# Altium PCB micromouse pcb.PcbDoc (part 1 of 2)
Units mil, origin at the board's own origin, x right, y up, seen from the top; angles counter-clockwise.
Board outline 3247.49 x 3543.31 mil, 2 copper layers (Top Layer, Bottom Layer); 164 components, 144 nets, 714 pads, 177 vias.
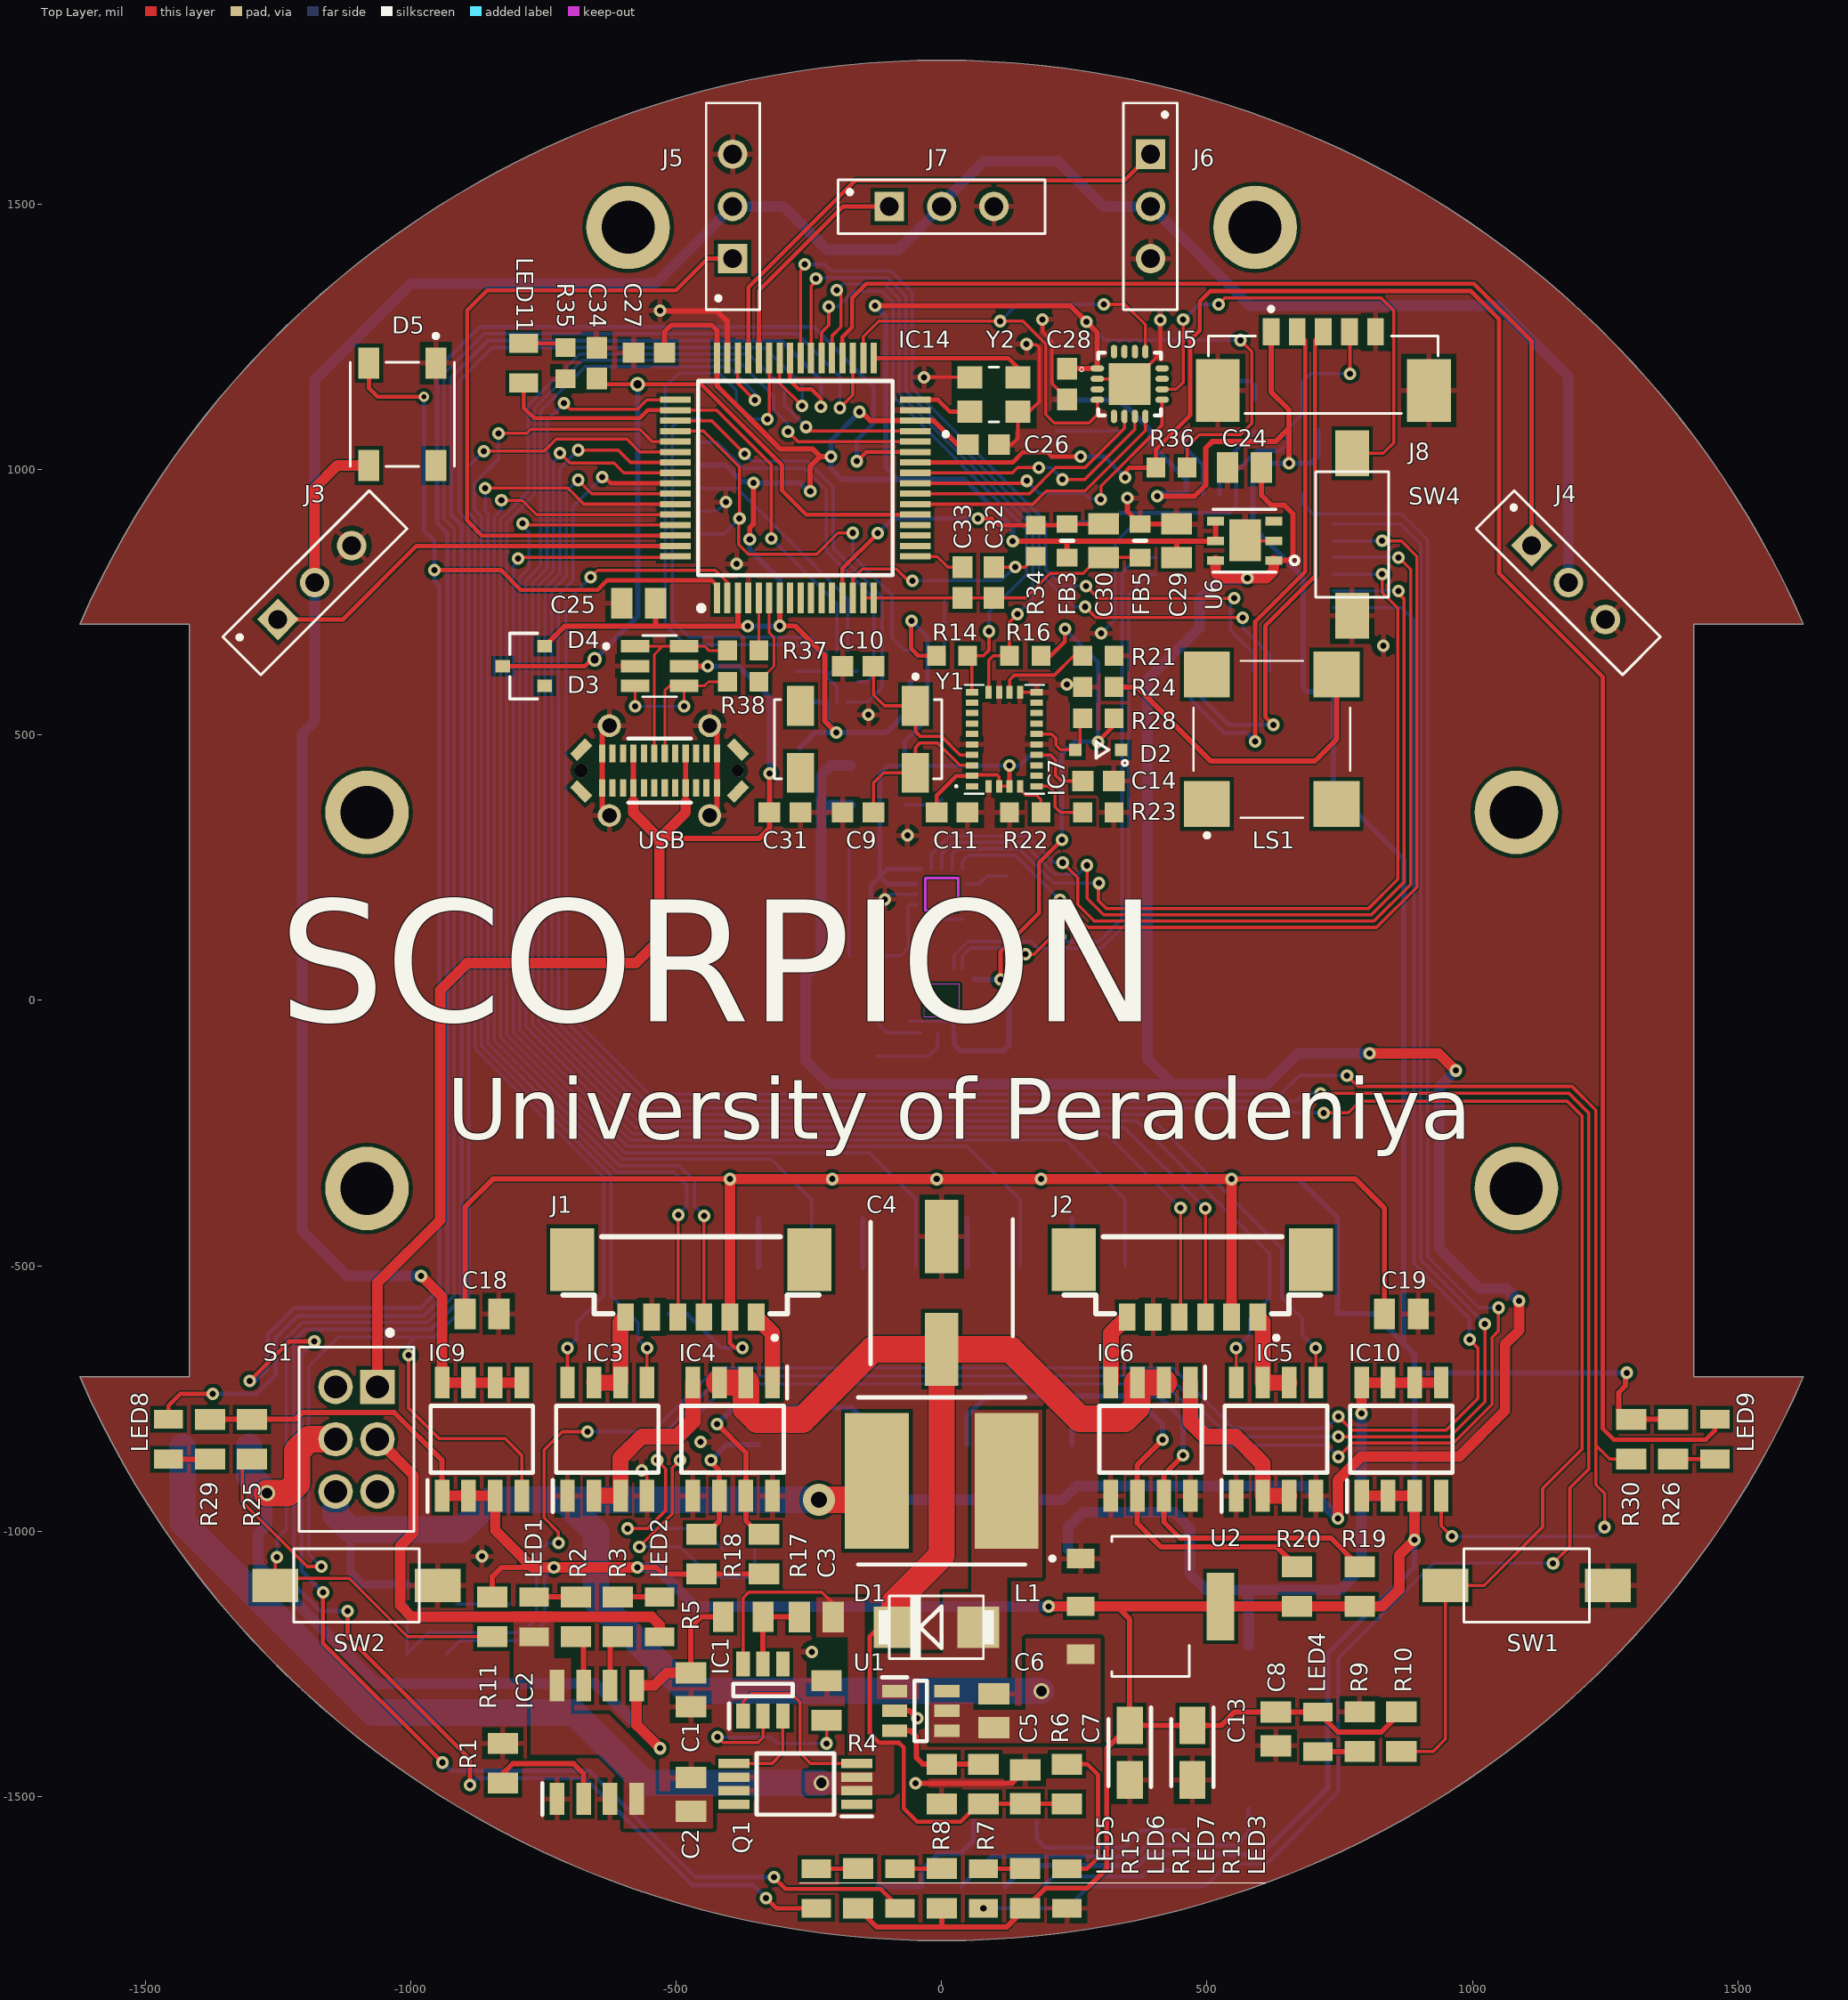
[diagram p0: Top Layer view]
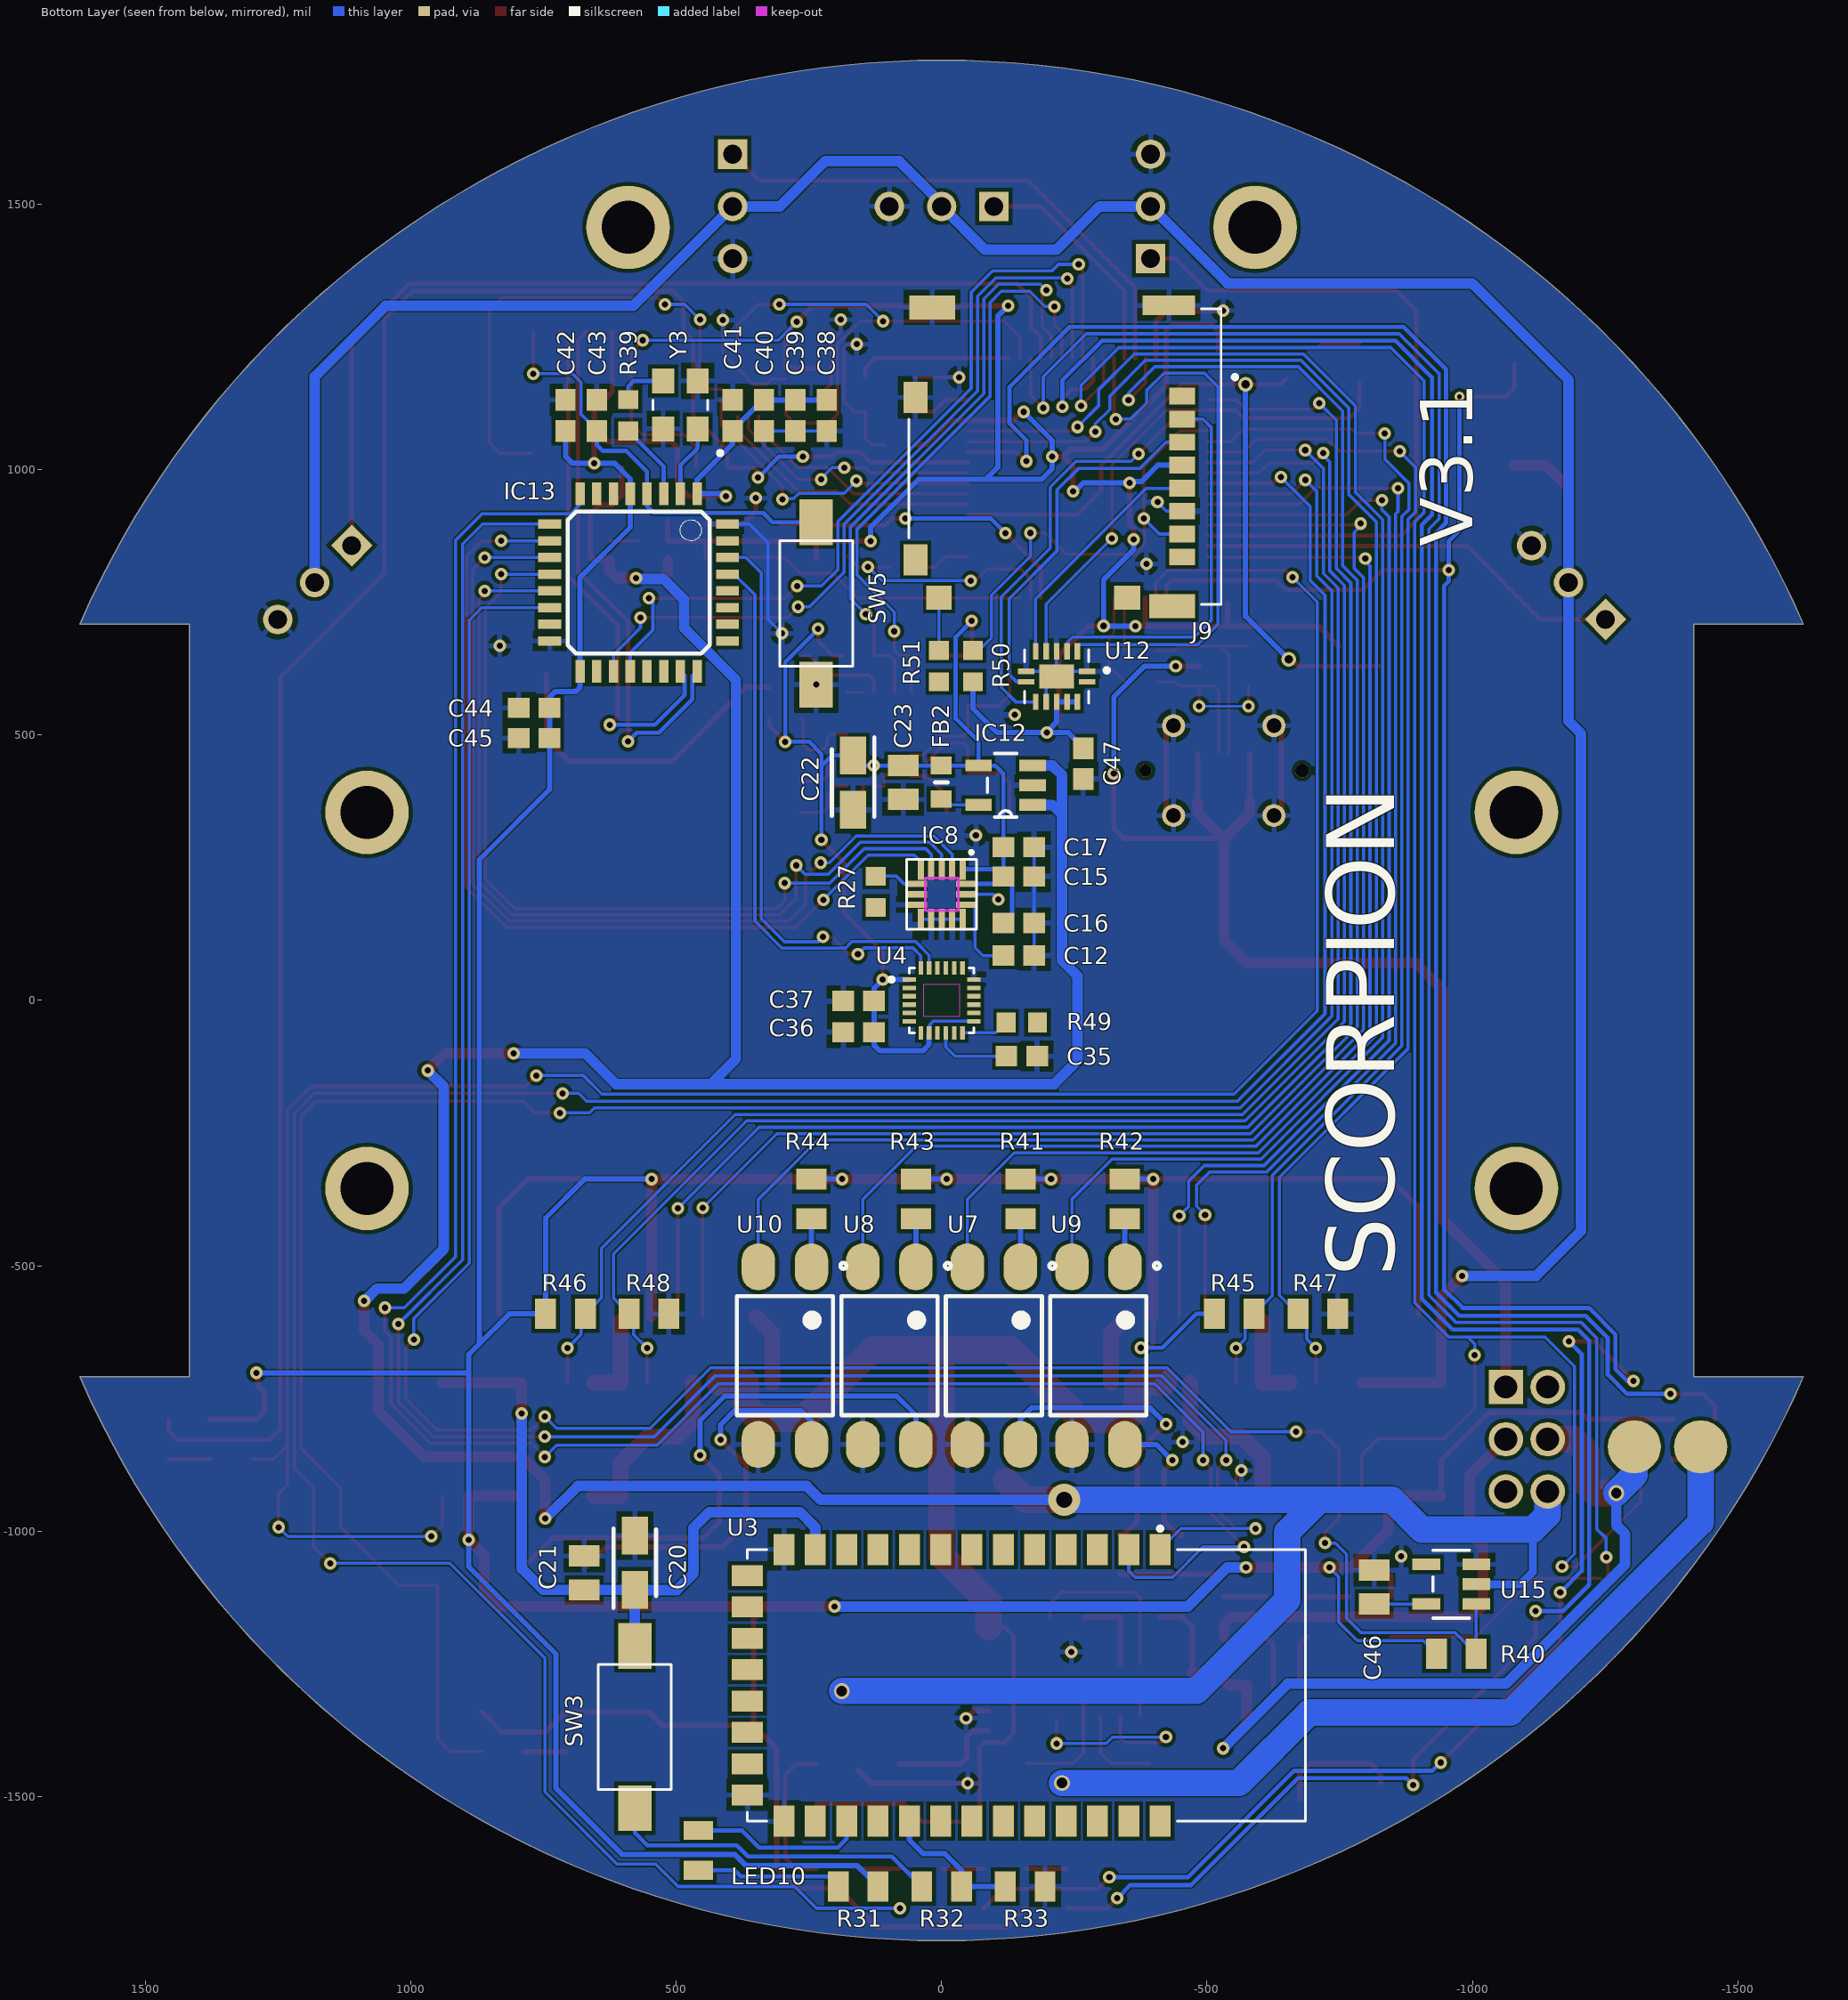
[diagram p1: Bottom Layer view, seen from below]
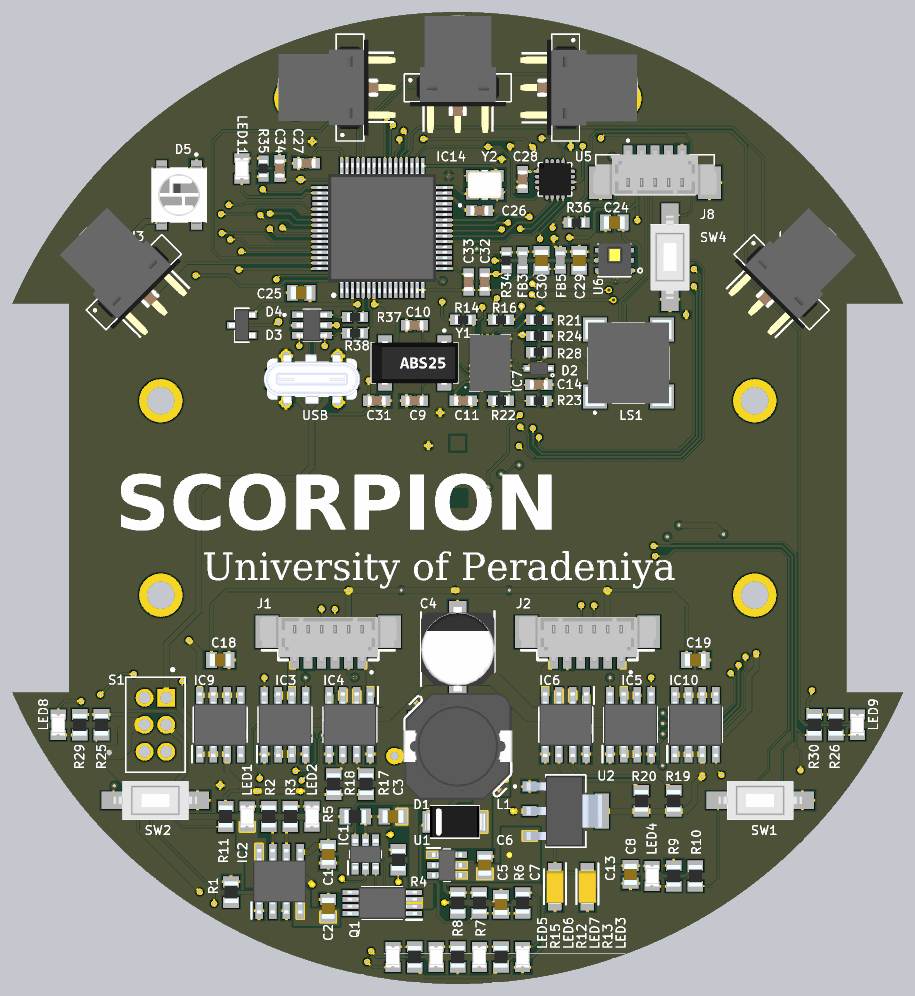
[diagram p3: 3D render of the assembled board from above, using the file's embedded part models]
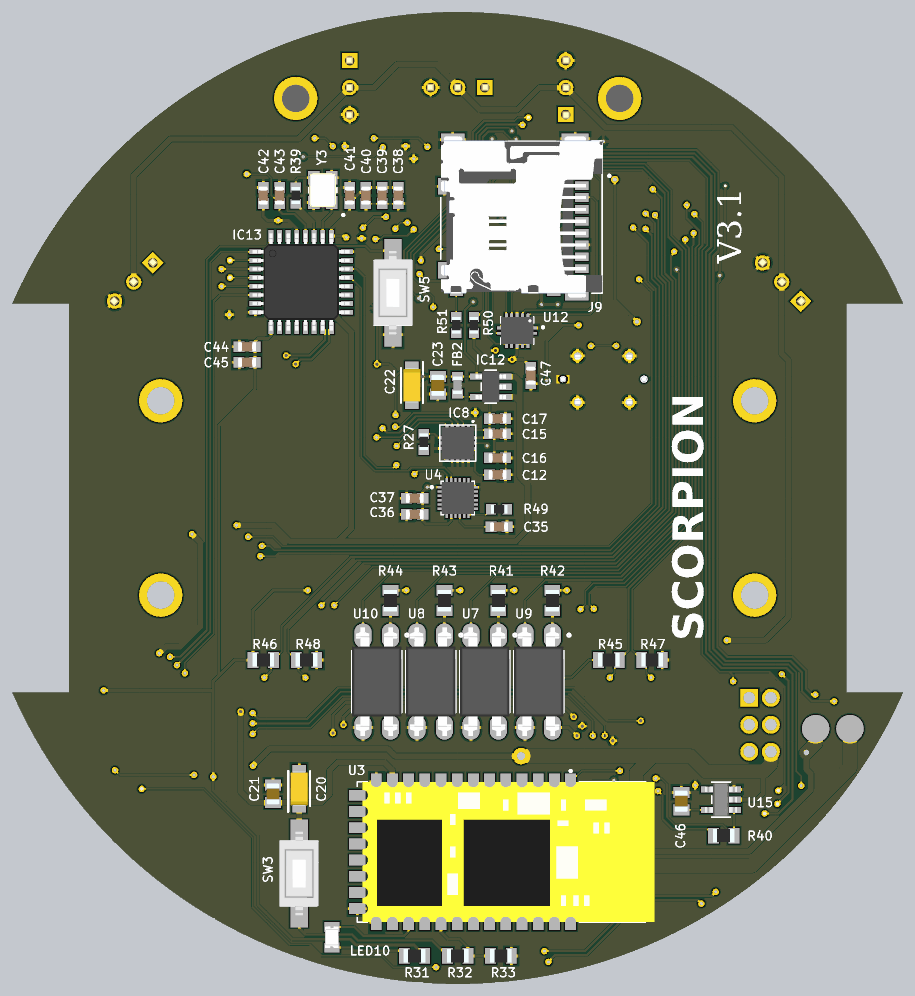
[diagram p4: 3D render of the assembled board from below, using the file's embedded part models]

## Layer stack, top to bottom
Top Solder: solder mask 0.4, Solder Resist, Dk 3.5
Top Layer: signal copper 1.3779
Dielectric 1: dielectric 12.6, FR-4, Dk 4.8
Bottom Layer: signal copper 1.3779
Bottom Solder: solder mask 0.4, Solder Resist, Dk 3.5

## Board outline
-1623.75,-708.66 -1417.32,-708.66 -1417.32,708.66 -1623.75,708.66 cw(c0,0) 1623.75,708.66 1417.32,708.66 1417.32,-708.66 1623.75,-708.66 cw(c0,0)
cut-out: -3208.66,-338.58
cut-out: -2720.47,716.54
cut-out: -2397.64,1919.29
cut-out: -3472.44,2852.36
cut-out: -1622.05,759.84
cut-out: -1622.05,759.84
cut-out: -2448.82,2295.28

## Design rules (kind name [scope] priority, off if disabled: settings)
Clearance [All] p1: gap=5 ignorepadtopadclearanceinfootprint=TRUE except(0: Arc-Hole SMDPad-Hole THPad-Hole Via-Hole Fill-Hole Poly-Hole Region-Hole Text-Hole; 2: Track-Track Track-SMDPad Track-THPad Track-Via Track-Fill Track-Poly Track-Region Track-Text Track-Hole; 7: Arc-Poly SMDPad-Poly THPad-Poly Via-Poly Fill-Poly Poly-Poly; 10: THPad-THPad THPad-Via THPad-Fill Via-Via Via-Fill Fill-Fill)
Clearance Clearance_2 [All] p2: gap=6 ignorepadtopadclearanceinfootprint=FALSE except(0: Arc-Hole Track-Hole SMDPad-Hole THPad-Hole Via-Hole Fill-Hole Poly-Hole Region-Hole Text-Hole)
Clearance Clearance_1 [All] p3: gap=10 ignorepadtopadclearanceinfootprint=FALSE except(0: Arc-Hole Track-Hole SMDPad-Hole THPad-Hole Via-Hole Fill-Hole Poly-Hole Region-Hole Text-Hole)
DiffPairsRouting DiffPair_DDiffPairsRouting [InDifferentialPair ('D')] p1: maxlimit=10 minlimit=5 mostfreqgap=10 toplayer_minwidth=5 toplayer_maxwidth=15 toplayer_prefwidth=10 bottomlayer_minwidth=5 bottomlayer_maxwidth=15 bottomlayer_prefwidth=10 maxuncoupledlength=500
DiffPairsRouting [All] p2: maxlimit=15 minlimit=5 mostfreqgap=10 toplayer_minwidth=5 toplayer_maxwidth=15 toplayer_prefwidth=5 bottomlayer_minwidth=5 bottomlayer_maxwidth=15 bottomlayer_prefwidth=5 maxuncoupledlength=500
HoleSize [All] p1: absolutevalues=TRUE maxlimit=300 minlimit=1 maxpercent=80.000 minpercent=20.000
HoleToHoleClearance [All] p1: gap=6 allowstackedmicrovias=TRUE
MatchedLengths DiffPair_DMatchedLengths [InDifferentialPair ('D')] p1: tolerance=78.74 checknetsindiffpair=TRUE checkdiffpairvsdiffpair=FALSE checkxsignals=FALSE checkothers=FALSE
MinimumSolderMaskSliver [All] p1: minsoldermaskwidth=0
PolygonConnect [All] p1: connectstyle=Relief reliefconductorwidth=10 reliefentries=4 polygonreliefangle="90 Angle" airgapwidth=10
RoutingVias [All] p1: holewidth=11.81 width=23.62 viastyle="Through Hole" minholewidth=9.06 minwidth=18.9 maxholewidth=15.75 maxwidth=27.56
SilkToSilkClearance [All] p1: silktosilkclearance=1
SilkToSolderMaskClearance [IsPad] p1: minsilkscreentomaskgap=0 clearancetoexposedcopper=TRUE
SolderMaskExpansion [All] p1: expansion=4
UnRoutedNet [All] p1: checkbadconnections=TRUE
Width [All] p1: maxlimit=50 minlimit=6 preferedwidth=10
23 further rules are at their usual default settings.

## Classes and differential pairs
component class 6.STM32F103: C38 C39 C40 C41 C42 C43 C44 C45 C47 IC13 J8 J9 R39 R50 R51 SW5 U12 Y3
component class 5.Teensy: C24 C25 C26 C27 C28 C29 C30 C31 C32 C33 C34 D3 D4 FB3 FB5 IC14 LED11 R34 R35 R37 R38 SW4 U5 U6 Y2
component class 4.IMU: C9 C10 C11 C12 C14 C15 C16 C17 C35 C36 C37 D2 IC7 IC8 R14 R16 R21 R22 R23 R27 R28 R49 U4 Y1
component class "3.motor drivers": IC3 IC4 IC5 IC6 J1 J2 R17 R18 R19 R20 R41 R42 R43 R44 R45 R46 R47 R48 U7 U8 U9 U10
component class 2.sensors: J3 J4 J5 J6 J7 LED5 LED6 LED7 LED8 LED9 LED10 LS1 R10 R11 R12 R13 R15 R24 R25 R26 R31 R32 R33 R36 SW1 SW2 SW3 U3 USB
component class 1.power: C1 C2 C3 C4 C5 C6 C7 C8 C13 C18 C19 C20 C21 C22 C23 C46 D1 FB2 IC1 IC2 IC9 IC10 IC12 L1 LED1 LED2 LED3 LED4 Q1 R1 R2 R3 R4 R5 R6 R7 R8 R9 R29 R30 R40 S1 U1 U2 U15
differential pair D_F: +D_F_P -D_F_N
differential pair D: +D_P -D_N

## Components (designator, comment, footprint, x,y, rotation, side; value= is the part's Value field where it differs from the comment)
C1 "08055A101JAT2A" CAPC2012X94N -472.44,-1299.21 r270 top value=10uF
C2 "08055A101JAT2A" CAPC2012X94N -472.44,-1496.06 r90 top value=0.1uF
C3 "08055A101JAT2A" CAPC2012X94N -236.22,-1161.42 r0 top value=0.1uF
C4 "UUD1E221MNL1GS" CAPAE830X1050N 0,-551.18 r90 top value=22uF
C5 "08055A101JAT2A" CAPC2012X94N 157.48,-1481.89 r270 top value=22uF
C6 "08055A101JAT2A" CAPC2012X94N 98.43,-1338.58 r90 top value=22uF
C7 "tantalum capacitor 1206" CAPPM3216X180N 354.33,-1417.32 r270 top value=10uF
C8 "08055A101JAT2A" CAPC2012X94N 629.92,-1372.44 r90 top value=100nF
C9 "capacitor 0603" *CAPC1608X95N -157.48,354.33 r0 top value=22pF
C10 "capacitor 0603" *CAPC1608X95N -157.48,629.92 r180 top value=22pF
C11 "capacitor 0603" *CAPC1608X95N 19.69,354.33 r180 top value=0.1uF
C12 "capacitor 0603" *CAPC1608X95N -145.51,84.5 r180 bottom value=100nF
C13 "tantalum capacitor 1206" CAPPM3216X180N 472.44,-1417.32 r270 top value=10uF
C14 "capacitor 0603" *CAPC1608X95N 295.28,413.39 r180 top value=0.1uF
C15 "capacitor 0603" *CAPC1608X95N -145.51,233.67 r0 bottom value=100nF
C16 "capacitor 0603" *CAPC1608X95N -145.51,146 r0 bottom value=2.2uF
C17 "capacitor 0603" *CAPC1608X95N -145.51,289 r0 bottom value=10nF
C18 "08055A101JAT2A" CAPC2012X94N -866.14,-590.55 r180 top value=4.7uF
C19 "08055A101JAT2A" CAPC2012X94N 866.14,-590.55 r180 top value=4.7uF
C20 "tantalum capacitor 1206" CAPPM3216X180N 578.03,-1059.46 r90 bottom value=10uF
C21 "08055A101JAT2A" CAPC2012X94N 673.35,-1078.76 r90 bottom value=100nF
C22 "tantalum capacitor 1206" CAPPM3216X180N 166.89,410.57 r270 bottom value=10uF
C23 "08055A101JAT2A" CAPC2012X94N 72.48,410.57 r270 bottom value=100nF
C24 "08055A101JAT2A" CAPC2012X94N 570.87,1003.94 r0 top value=2.2uF
C25 "08055A101JAT2A" CAPC2012X94N -570.87,748.03 r0 top value=2.2uF
C26 "capacitor 0603" *CAPC1608X95N 78.74,1047.24 r180 top value=0.1uF
C27 "capacitor 0603" *CAPC1608X95N -551.18,1220.47 r0 top value=0.1uF
C28 "capacitor 0603" *CAPC1608X95N 236.22,1161.42 r90 top value=0.1uF
C29 "08055A101JAT2A" CAPC2012X94N 442.91,866.14 r270 top value=2.2uF
C30 "08055A101JAT2A" CAPC2012X94N 305.12,866.14 r90 top value=2.2uF
C31 "capacitor 0603" *CAPC1608X95N -295.28,354.33 r180 top value=100nF
C32 "capacitor 0603" *CAPC1608X95N 98.43,787.4 r270 top value=0.1uF
C33 "capacitor 0603" *CAPC1608X95N 39.37,787.4 r270 top value=0.1uF
C34 "capacitor 0603" *CAPC1608X95N -649.61,1200.79 r270 top value=0.1uF
C35 "capacitor 0603" *CAPC1608X95N -151,-105 r0 bottom value=100nF
C36 "capacitor 0603" *CAPC1608X95N 156.42,-59.84 r180 bottom value=10nF
C37 "capacitor 0603" *CAPC1608X95N 156.42,-0.91 r180 bottom value=100nF
C38 "capacitor 0603" *CAPC1608X95N 216.54,1102.36 r90 bottom value=100nF
C39 "capacitor 0603" *CAPC1608X95N 275.59,1102.36 r90 bottom value=100nF
C40 "capacitor 0603" *CAPC1608X95N 334.65,1102.36 r90 bottom value=4.7uF
C41 "capacitor 0603" *CAPC1608X95N 393.7,1102.36 r270 bottom value=100nF
C42 "capacitor 0603" *CAPC1608X95N 708.66,1102.36 r270 bottom value=4.7uF
C43 "capacitor 0603" *CAPC1608X95N 649.61,1102.36 r270 bottom value=100nF
C44 "capacitor 0603" *CAPC1608X95N 767.72,551.18 r180 bottom value=10nF
C45 "capacitor 0603" *CAPC1608X95N 767.72,494.49 r180 bottom value=1uF
C46 "08055A101JAT2A" CAPC2012X94N -815.24,-1105.35 r270 bottom
C47 "capacitor 0603" *CAPC1608X95N -267,446 r90 bottom value=1uF
D1 "SS34" *SMA 0,-1181.1 r0 top
D2 "1N4148WS" *SOD323_1N4148WS(Primary) 295.28,472.44 r180 top
D3 "BAT54C" *SOT23-R -787.4,629.92 r90 top
D4 "USBLC6-2SC6" *SOT95P280X145-6N -531.5,629.92 r0 top
D5 "1655" *LED_1655 -1016,1104.39 r270 top
FB2 "inductor 0603" BEADC1608X95N 0.71,410.96 r90 bottom value=10uH
FB3 "inductor 0603" BEADC1608X95N 236.22,866.14 r270 top value=10uH
FB5 "inductor 0603" BEADC1608X95N 374.02,866.14 r270 top value=10uH
IC1 "DW01-P" SOT95P280X135-6N -336.62,-1299.21 r90 top
IC2 "TP4056" SOIC127P600X175-9N -649.61,-1397.64 r90 top
IC3 "MAX471CPA" SOIC127P600X175-8N -629.92,-826.77 r90 top
IC4 "L9110S" SOIC127P600X175-8N -393.7,-826.77 r270 top
IC5 "MAX471CPA" SOIC127P600X175-8N 629.92,-826.77 r90 top
IC6 "L9110S" SOIC127P600X175-8N 393.7,-826.77 r270 top
IC7 "BNO055" BNO055 118.11,492.13 r90 top
IC8 "ICM20602" PULL-BACK-QFN-16 0,200 r270 bottom
IC9 "SI4143DY-T1-GE3" SI4143DY-T1-GE3 -866.14,-826.77 r90 top
IC10 "SI4143DY-T1-GE3" SI4143DY-T1-GE3 866.14,-826.77 r90 top
IC12 "TPS62203" SOT95P280X145-5N -120.43,405.46 r0 bottom
IC13 "STM32F042K6T7" *QFP80P900X900X160-32N 570.87,787.4 r270 bottom
IC14 "MK20DX256VLH7" QFP50P1200X1200X160-64N -275.59,984.25 r90 top
J1 "MOTOR CONNECTOR" 533980671 -472.44,-590.55 r180 top
J2 "MOTOR CONNECTOR" 533980671 472.44,-590.55 r180 top
J3 "0022057035_5268-03A" *MOLEX_0022057035_5268-03A -1181.1,787.4 r45 top
J4 "0022057035_5268-03A" *MOLEX_0022057035_5268-03A 1181.1,787.4 r315 top
J5 "0022057035_5268-03A" *MOLEX_0022057035_5268-03A -393.7,1496.06 r90 top
J6 "0022057035_5268-03A" *MOLEX_0022057035_5268-03A 393.7,1496.06 r270 top
J7 "0022057035_5268-03A" *MOLEX_0022057035_5268-03A 0,1496.06 r0 top
J8 "0533980571" *MOLEX_0533980571_0533980571(Primary) 719.06,1233.98 r0 top
J9 "503182-1852" *MOLEX_503182-1852_503182-1852(Primary) -202.68,1024.45 r270 bottom
L1 "74404084220" INDPM8080X420N 0,-905.51 r180 top value=22uH
LED1 "150080BS75000" LEDC2012X80N -767.72,-1161.42 r270 top
LED2 "150080BS75000" LEDC2012X80N -531.5,-1161.42 r270 top
LED3 "150080BS75000" LEDC2012X80N 236.22,-1673.23 r90 top
LED4 "150080BS75000" LEDC2012X80N 708.66,-1377.95 r90 top
LED5 "150080BS75000" LEDC2012X80N -236.22,-1673.23 r90 top
LED6 "150080BS75000" LEDC2012X80N -78.74,-1673.23 r90 top
LED7 "150080BS75000" LEDC2012X80N 78.74,-1673.23 r90 top
LED8 "150080BS75000" LEDC2012X80N -1456.69,-826.77 r270 top
LED9 "150080BS75000" LEDC2012X80N 1456.69,-826.77 r270 top
LED10 "150080BS75000" LEDC2012X80N 458.5,-1601.5 r270 bottom
LED11 "150080BS75000" LEDC2012X80N -787.4,1200.79 r270 top
LS1 "AST7525MAQ" AST7525MAQ 622,492.13 r90 top
Q1 "FS8205A" SOP65P640X120-8N -275.59,-1476.38 r180 top
R1 "CPF0805B100KE" RESC2012X65N -826.77,-1437.01 r270 top value=1.2k
R2 "CPF0805B100KE" RESC2012X65N -688.98,-1161.42 r90 top value=1K
R3 "CPF0805B100KE" RESC2012X65N -610.24,-1161.42 r90 top value=1K
R4 "CPF0805B100KE" RESC2012X65N -216.54,-1318.9 r90 top value=1K
R5 "CPF0805B100KE" RESC2012X65N -374.02,-1161.42 r180 top value=100
R6 "CPF0805B100KE" RESC2012X65N 236.22,-1476.38 r270 top value=1K
R7 "CPF0805B100KE" RESC2012X65N 78.74,-1476.38 r270 top value=20K
R8 "CPF0805B100KE" RESC2012X65N 0,-1476.38 r90 top value=2.2K
R9 "CPF0805B100KE" RESC2012X65N 787.4,-1377.95 r90 top value=1K
R10 "CPF0805B100KE" RESC2012X65N 866.14,-1377.95 r90 top value=10K
R11 "CPF0805B100KE" RESC2012X65N -846.46,-1161.42 r90 top value=10K
R12 "CPF0805B100KE" RESC2012X65N 0,-1673.23 r270 top value=1K
R13 "CPF0805B100KE" RESC2012X65N 157.48,-1673.23 r270 top value=1K
R14 "resistor" RESC1608X55N 19.69,649.61 r180 top value=10K
R15 "CPF0805B100KE" RESC2012X65N -157.48,-1673.23 r270 top value=1K
R16 "resistor" RESC1608X55N 157.48,649.61 r0 top value=10K
R17 "CPF0805B100KE" RESC2012X65N -334.65,-1043.31 r270 top value=10K
R18 "CPF0805B100KE" RESC2012X65N -452.76,-1043.31 r270 top value=10K
R19 "CPF0805B100KE" RESC2012X65N 787.4,-1104.33 r270 top value=10K
R20 "CPF0805B100KE" RESC2012X65N 669.29,-1104.33 r270 top value=10K
R21 "resistor" RESC1608X55N 295.28,649.61 r180 top value=10K
R22 "resistor" RESC1608X55N 157.48,354.33 r0 top value=10K
R23 "resistor" RESC1608X55N 295.28,354.33 r180 top value=10K
R24 "resistor" RESC1608X55N 295.28,590.55 r0 top value=33
R25 "CPF0805B100KE" RESC2012X65N -1377.95,-826.77 r90 top value=1K
R26 "CPF0805B100KE" RESC2012X65N 1377.95,-826.77 r90 top value=1K
R27 "resistor" RESC1608X55N 124,204.53 r90 bottom value=0
R28 "resistor" RESC1608X55N 295.28,531.5 r180 top value=10K
R29 "CPF0805" RESC2012X65N -1299.21,-826.77 r90 top value=10K
R30 "CPF0805" RESC2012X65N 1299.21,-826.77 r90 top value=10K
R31 "CPF0805" RESC2012X65N 157.48,-1669.45 r180 bottom value=1K
R32 "CPF0805" RESC2012X65N 0,-1669.45 r180 bottom value=10K
R33 "CPF0805" RESC2012X65N -157.48,-1669.45 r0 bottom value=10K
R34 "resistor" RESC1608X55N 177.17,866.14 r90 top value=470
R35 "resistor" RESC1608X55N -708.66,1200.79 r90 top value=470